# KiCad board Mainboard.kicad_pcb (continued)
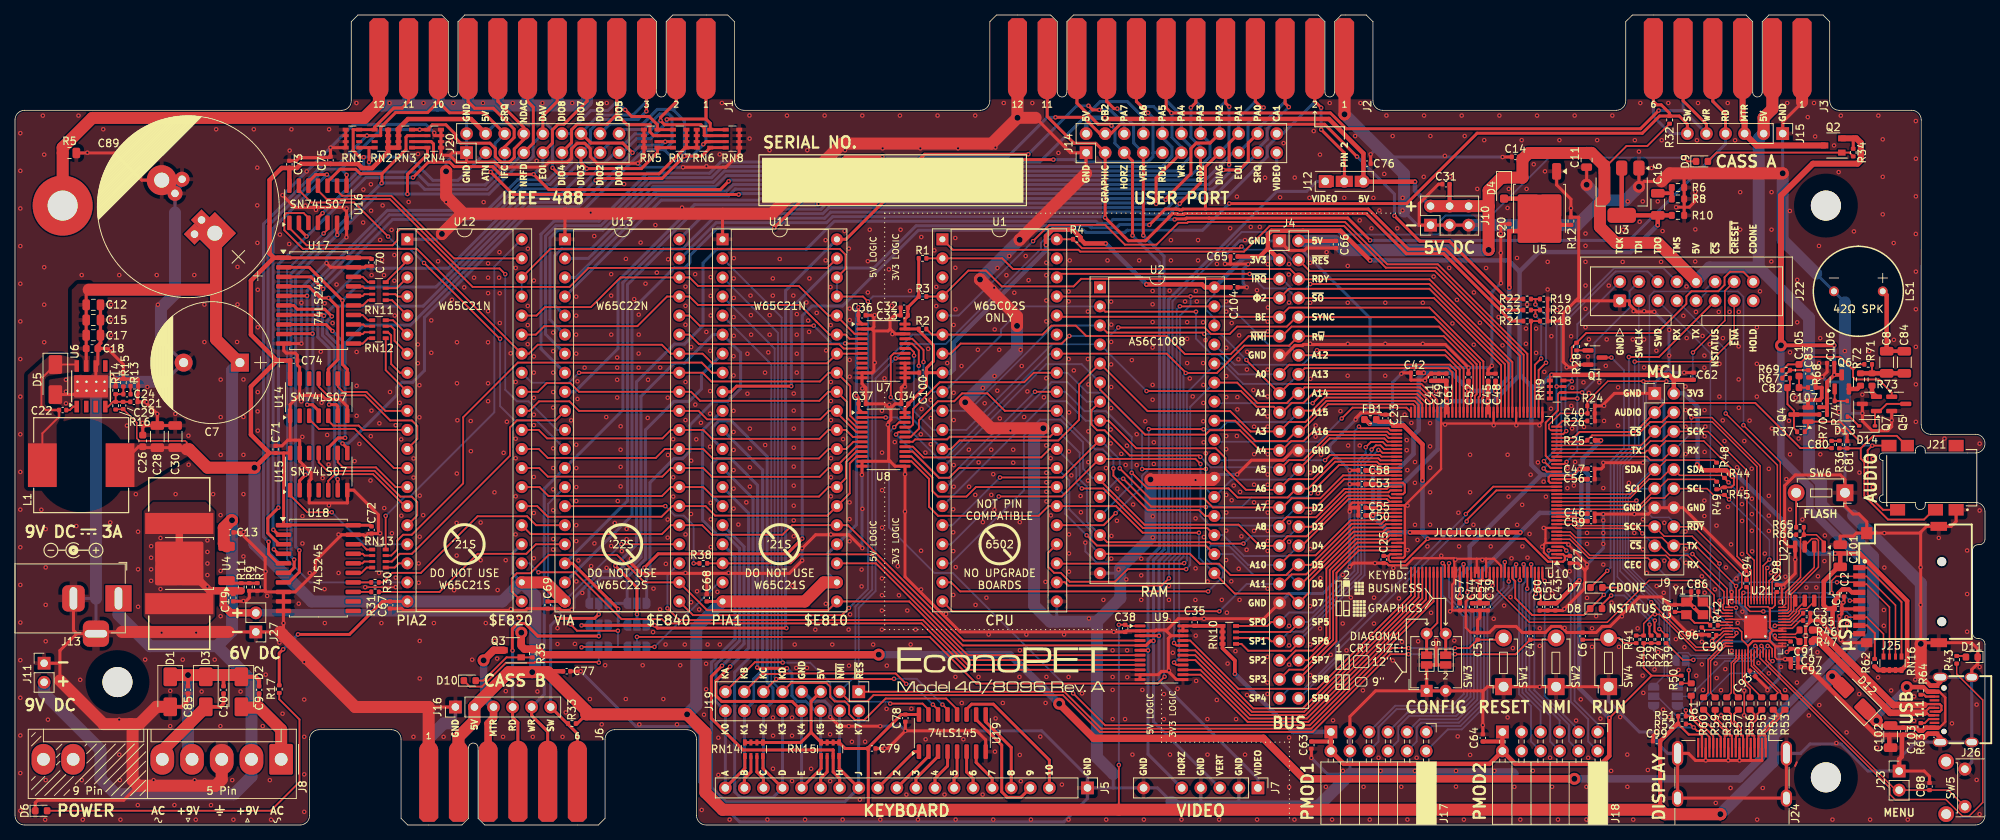
[diagram p0: board, top side]
## Routing (per net, layer and track width the routed paths; a pad name or vN(x,y) marks a point on that pad's centre or on a via; arc(x,y) is an arc through that point) (continued)
  Top w0.4: 56.76,91.87 55.93,91.87 55.87,91.94 v1(55.87,92.25) ; 56.76,91.87 RN4.2 RN4.1 56.76,89.47 56.99,89.24 57.94,89.24 ; 56.76,91.87 56.76,92.67 ; 60.18,88.35 60.17,88.35 J20.1 58.3,89.6 57.94,89.24 ; 60.18,88.35 63.89,88.35 64.56,87.68 70.46,87.68 71.12,88.34 73.62,88.34 74.17,88.88 74.17,90.12 74.9,90.85 75.93,90.85 76.67,90.12 76.67,89.08 77.56,88.19 82.98,88.19 v1(82.99,88.18) 83.81,89 RN5.4 RN5.3 83.81,92.67 ; 60.18,88.35 58.83,88.35 57.94,89.24 ; 195.59,17.82 196.19,18.42 198.34,18.42 SW1.1 SW2.1 SW4.1 ; 195.59,17.82 C64.2 ; 195.59,17.82 195.52,17.88 SW3.2 SW3.1 ; 232.79,8.6 v1(229.79,8.6) v1(228.29,8.6) v1(225.29,8.6) 223.93,8.6 222.98,9.54 J24.SH J24.SH J24.SH J24.SH ; C71.2 35.58,50.54 36.34,51.29 36.64,51.29 ; Y1.2 222.35,29.35 C87.1 221.17,29.33 220.46,29.33 ; Y1.2 223.02,29.72 ; Y1.2 222.97,29.72 223.34,30.09 C86.1 ; 35.65,25.41 35.77,25.53 U18.10 U18.9 U18.8 ; v1(75.39,20.49) C77.2 ; v1(74.19,28.69) 74.09,28.59 72.78,28.59 72.54,28.83 70.98,28.83 C69.2 68.25,28.83 68.01,28.59 51.79,28.59 51.54,28.83 C67.2 ; C88.2 255.11,6.48 254.39,7.19 J23.1 ; v1(38.16,64.16) U17.10 35.82,63.21 36.14,62.89 37.34,62.89 37.62,62.61 C74.2 37.62,61.31 37.93,61 U14.13 37.93,57.24 ; 219.4,85.77 217.11,85.77 v2(216.4,85.06) 216.39,85.07 U3.1 ; C14.1 198.23,89.03 v1(198.22,89.02) ; 153.68,20.47 153.68,24.87 154.04,25.23 ; 153.68,20.47 152.77,20.47 152.33,20.03 U9.11 U9.12 ; 153.68,20.47 154.77,19.38 U9.13 ; 37.93,57.24 37.86,57.24 36.66,56.04 36.66,54.54 U14.1 36.66,51.31 36.64,51.29 ; 37.93,57.24 40.92,57.24 41.42,56.74 43.31,56.74 44.28,55.77 U14.7 ; 92.19,33.53 92.19,30.76 C68.2 ; 92.19,33.53 83.43,33.53 82.08,34.88 v1(82.08,35.49) ; 92.19,33.53 103.17,33.53 v1(104.89,35.25) ; C36.2 114.16,67.93 114.45,67.64 114.45,66.36 114.19,66.1 ; v1(118.64,12.55) 128.14,12.55 129.34,11.35 U19.8 ; v1(118.64,12.55) 118.64,12.55 C78.2 ; v1(118.64,12.55) 116.28,10.2 C79.2 ; C95.2 239.22,27.25 239.22,27.09 238.59,26.46 238.59,24.65 238.59,24.64 238.59,23.92 238.16,23.49 237.57,23.49 ; C95.2 240.42,27.25 242.46,25.21 242.96,25.21 ; C95.2 C3.2 ; v1(228.74,29.75) 228.74,29.75 v1(228.74,31.04) ; 231.12,26.87 231.12,27.5 ; 231.12,26.87 231.57,26.41 U21.57 233.21,26.41 ; 231.12,26.87 230.66,26.41 ; R19.2 R20.2 R18.2 206.3,67.16 206.31,67.17 ; C101.2 243.21,38.5 244.95,38.5 245.36,38.9 J25.10 ; 116.61,66.11 116.61,67.35 117.18,67.93 C33.2 118.01,68.94 C32.2 ; 116.61,66.11 116.34,65.84 114.45,65.84 ; 116.61,66.11 117.27,65.45 U7.22 ; C52.2 193.67,60.93 v1(193.69,60.95) 190.59,64.04 171.7,64.04 171.56,63.9 170.53,63.9 169.24,62.61 168.5,62.61 ; U18.8 37.35,31.06 40.02,33.73 40.02,35.18 43.52,38.68 U18.19 46.42,38.68 46.65,38.45 47.03,38.84 C72.2 48.34,38.84 48.43,38.92 48.43,41.34 45.14,44.63 U15.7 44.3,44.61 44.3,42.92 39.2,42.92 39.2,44.62 U15.3 39.2,44.63 39.2,45.84 39.45,46.09 39.45,46.97 37.93,48.5 U15.13 37.93,51.25 37.89,51.29 36.64,51.29 ; U18.8 33.41,31.06 33.26,31.21 ; 253.93,38.9 253.93,24.16 v2(253.95,24.14) 254.11,24.3 J25.10 260.71,24.3 261.53,23.47 D11.1 261.53,21.51 260.73,20.71 J26.S1 ; 253.93,38.9 249.11,38.9 J25.10 ; 253.93,38.9 253.93,39.02 254.71,39.8 J25.10 258,39.8 258.65,40.46 258.65,42.11 ; 114.45,65.84 114.45,60.51 114.19,60.25 U7.11 U7.12 112.87,58.8 113.37,58.3 C37.2 115.88,56.13 116.58,55.43 ; 114.45,65.84 114.19,66.1 ; 207.95,69.86 208.37,70.28 208.37,81 R12.2 207.33,83.4 205.42,85.31 205.42,86.28 ; 207.95,69.86 206.31,68.22 206.31,67.17 ; 207.95,69.86 J22.1 215.13,69.86 215.13,69.34 216.08,68.39 v1(218.43,68.39) ; v1(178.63,54.03) 178.63,54.22 179.33,54.92 181.89,54.92 182.11,54.69 C23.2 183.54,54.69 v1(183.56,54.67) ; 94.29,81.46 94.28,81.45 U11.1 ; v1(162.86,46.72) 164.75,48.62 169.01,48.62 170.3,49.91 J4.24 ; 33.26,31.21 33.34,31.29 33.34,35.64 29.98,39 C13.2 ; 33.26,31.21 R7.2 R9.2 31.22,30.29 30.75,29.81 C19.2 ; J15.1 235.54,93.69 238.12,96.27 238.12,96.35 ; C25.2 178.34,34.9 v1(177.85,34.41) ; 206.31,67.17 206.31,61.71 207.01,61.01 207.78,61.01 208.12,61.35 Q1.2 ; J25.6 243.43,28.8 C1.2 ; C90.2 225.65,25.37 C96.2 223.11,25.37 220.48,28 220.48,29.31 220.46,29.33 ; C73.2 37.47,88.52 37.9,88.95 41.92,88.95 C75.2 v1(42.04,90.27) RN1.4 RN1.3 44.06,92.67 ; 8.24,25.5 7.79,25.95 J13.2 ; 8.24,25.5 5.99,23.25 5.99,21.57 ; 8.24,25.5 J13.3 11.02,25.73 14.22,25.73 ; 114.19,66.1 U7.2 ; C70.2 46.75,74.48 46.59,74.32 U17.19 42.07,74.32 v1(41.51,74.88) ; SW3.1 181.3,17.88 177.88,14.46 J17.5 ; SW3.1 SW3.1 189.37,21.33 ; R15.2 13.41,59.46 R14.2 ; R15.2 16.36,59.46 16.42,59.4 R13.2 16.42,57.46 16.33,57.37 16.33,56.4 C21.1 17.36,56.39 v1(18.96,54.79) 18.97,54.78 C28.1 ; R15.2 14.44,61.38 12.32,63.5 C18.2 11.04,61.44 U6.6 10.76,59.13 U6.9 ; C28.1 18.97,53.24 C30.1 ; C28.1 17.28,53.24 17.02,52.97 C26.1 ; J4.1 169.77,76.58 171.81,76.58 172.12,76.89 C66.2 ; v1(209.47,34.71) 209.47,34.22 209.2,33.95 ; C94.2 230.72,33.46 v1(230.73,33.46) 230.73,33.84 230.68,33.89 230.66,33.89 222.27,42.29 J9.14 J9.13 217.65,41.44 210.54,41.44 C46.2 C59.2 ; C48.2 197.28,60.15 C45.2 196.3,60.7 v1(196.79,61.19) ; C11.2 209.42,87.67 v2(209.42,85.33) ; v1(112.86,46.66) 112.87,46.67 U8.12 U8.11 116.55,48.47 116.58,48.5 ; U21.57 231.94,27.69 231.75,27.5 231.12,27.5 ; J9.1 213.12,57.53 211.46,55.86 R24.2 210.5,55.83 C40.2 210.5,53.88 R26.1 ; J25.10 243.64,24.3 v1(243.27,24.67) 243.1,24.84 v1(243.1,27.82) 243.43,28.15 C1.2 ; 204.49,26.23 203.91,25.65 C4.2 200.84,25.65 200.02,26.47 197.27,26.47 196.45,25.64 194.9,25.64 C5.2 194.89,27.31 195.19,27.62 C54.2 ; C2.2 243.72,29.68 243.43,29.39 C1.2 ; U7.16 U7.15 118.62,60.88 118.62,60.28 ; U21.57 230.93,27.69 231.12,27.5 ; 96.5,92.67 RN8.2 RN8.1 96.5,89.44 94.72,87.66 v1(89.02,87.66) ; C55.2 C50.2 ; 118.62,60.28 118.64,60.25 120.46,60.25 C100.2 ; 118.62,60.28 U7.14 U7.13 118.59,58.78 118.09,58.28 C34.2 117.27,56.13 116.58,55.43 ; C99.2 218.26,11.9 v1(218.75,12.39) ; 153.39,25.88 155,27.49 C35.2 166.4,27.49 168.5,29.59 ; 153.39,25.88 154.04,25.23 ; 153.39,25.88 153.29,25.98 152.06,25.98 151.95,25.88 U9.2 148.08,25.88 C38.2 125.95,25.73 118.59,33.09 U8.13 117.26,47.82 116.58,48.5 ; C27.2 208.26,34.89 209.2,33.95 ; R10.2 222.42,82.34 ; 222.42,82.34 R8.1 R6.1 222.42,86.82 222.39,86.85 ; 222.42,82.34 v1(221.34,82.34) ; 222.42,82.34 223.1,82.34 223.9,83.14 v1(223.9,84.38) ; J25.10 246.74,40.41 245.7,41.45 244.92,41.45 243.84,42.53 SW6.1 243.84,46.05 243.23,46.66 237.24,46.66 235.81,45.23 235.81,37.65 236.36,37.1 U22.4 237.21,33.51 235.7,32 C98.2 ; 142.72,86.84 J14.1 140.64,89.6 135.99,94.25 ; C56.2 C47.2 211.37,47.46 211.64,47.73 v1(211.64,48.28) v1(216.92,48.28) ; 189.37,21.33 SW3.2 ; 189.37,21.33 189.37,21.33 v1(189.37,24.68) ; Y1.4 224.72,28.02 ; C31.2 189.68,85.4 187.11,82.83 187.11,79.94 J10.1 J10.3 J10.5 ; v1(164.13,71.66) C104.2 ; 154.04,25.23 U9.22 ; 161.96,74.77 164.29,74.77 v1(164.32,74.74) ; 161.96,74.77 161.23,74.77 v1(161.23,74.77) ; 161.96,74.77 161.96,75.77 ; v1(233.52,17.97) 233.52,18.18 C93.2 ; 35.33,25.73 J27.1 28.46,25.73 ; v1(222.41,60.29) 223.66,60.29 C62.2 ; C20.2 197.98,80.1 197.98,72.24 v1(198,72.22) ; v1(242.86,52.62) 243.52,52.62 244.14,52 C81.2 ; v1(104.89,36.88) 106.69,38.68 111.12,38.68 v1(112.9,36.9) ; C53.2 177.85,45.43 v1(177.85,45.43) ; J11.1 5.98,21.56 5.99,21.57 ; v1(184.73,60.14) 184.85,60.26 C42.2 186,59.33 186.03,59.3 187.75,59.3 188.6,60.15 C41.2 C49.2 C61.2 ; Q5.2 250.07,53.07 249.56,52.56 247.44,52.56 246.17,53.83 v1(246.17,54.87) 246.16,54.88 Q7.3 ; U6.9 7.83,57.37 D5.2 ; v1(240.81,59.73) 241.46,60.38 C106.2 ; 220.46,29.33 219.39,30.4 216.48,30.4 212.54,26.47 211.5,26.47 210.69,25.65 206.78,25.65 206.2,26.23 ; U21.57 U21.57 ; 237.57,23.49 C91.2 236.16,23.05 v1(236.09,23.05) ; 237.57,23.49 C97.2 C92.2 ; 5.99,21.57 5.99,19.26 ; v1(115.29,13.17) 109.86,13.17 v1(108.64,14.39) ; C76.2 v1(180.64,89.38) ; J16.1 55.13,15.72 ; 206.19,26.22 205.94,26.47 204.74,26.47 204.5,26.22 ; C12.2 C15.2 C17.2 ; D6.1 2.7,2.97 3.03,3.3 14.48,3.3 16.41,5.23 ; C58.2 v1(177.85,47.27) ; 209.2,33.95 209.2,32.26 209.1,32.16 209.1,31.46 206.24,28.59 C43.2 C51.2 C60.2 ; 116.58,48.5 116.41,48.67 116.41,53.71 116.72,54.02 116.72,55.29 116.58,55.43 ; v1(35.64,83.94) 37.29,82.29 43.66,82.29 44.18,81.77 U16.7 44.18,78.69 44.18,78.34 v1(44.17,78.33) ; C54.2 C44.2 ; C54.2 C39.2 ; C89.2 16.89,85.94 13.27,89.56 R5.2 ; C63.2 v1(172.74,8.94) ; U13.1 73.28,81.46
  Top w0.5: C85.1 23.05,16.56 22.25,15.75 D1.2 ; 239.94,59.65 240.73,59.65 v1(240.81,59.73) ; 239.94,59.65 C83.2 ; 239.94,59.65 R68.1 240.74,58.29 240.75,58.28 240.75,56.94 C107.2 238.91,56.64 Q4.2 ; v1(177.85,41.77) 177.85,42.06 178.08,42.29 C55.2 ; 224.72,28.02 224.68,28.02 223.02,29.68 223.02,29.72 ; 11.04,63.29 11.04,63.87 11.4,64.23 11.4,65.06 11.39,65.07
  Top w0.6: 249.93,10.31 249.75,10.49 249.75,12 ; J26.S1 256.53,19.06 256.04,18.56 J26.A12_B1 255.22,18.56 253.94,19.85 253.94,20.19 ; C92.2 238.92,21.05 247.96,12 249.75,12 ; C103.2 251.42,11.84 251.42,9.12 251.06,8.76 J23.1 ; C103.2 253.14,12.01 253.45,11.7 254.43,11.7 254.89,12.16 J26.A1_B12 256.04,12.16 256.53,11.67 J26.S1 ; C103.2 251.58,12 249.75,12
  Top w1.6: 15.39,13.44 15.67,13.16 15.67,5.97 16.41,5.23 26.72,5.23 27.55,6.06 J8.3 ; 15.39,13.44 11.81,13.44 5.99,19.26 ; 15.39,13.44 16.55,13.44 18.86,15.75 D1.2 ; 135.99,94.25 v2(133.58,94.25) ; v2(133.58,94.25) 133.58,94.25 J2.12 ; v2(133.58,94.25) 130.14,90.81 110.21,90.81 100.85,81.46 59.79,81.46 ; v2(151.3,46.05) 151.37,45.99 159.55,45.99 U2.22 ; 14.22,25.73 28.46,25.73 ; v2(137.02,52.87) 130.07,52.87 v2(126.6,56.33) ; 35.33,25.73 45.33,15.72 55.13,15.72 J6.1,A ; v2(128.59,72.7) 133.52,67.77 v2(133.52,66.52) ; v2(177.16,94.71) 177.16,94.72 J2.1 ; 59.79,81.46 57.45,83.8 57.45,87.11 v2(57.44,87.12) ; 59.79,81.46 59.57,81.46 56.89,78.78 v2(56.89,78.77) ; 253.94,20.19 253.94,24.13 v2(253.95,24.14) ; 219.4,85.77 220.48,86.85 v2(235.54,86.85) ; 142.72,86.84 v2(133.87,77.99) ; 238.12,96.35 J3.1,A
  Bottom w0.25: v1(146.08,35.5) 145.55,34.97 144.11,34.97 142.62,36.47 v1(142.62,37.64)
  Bottom w0.4: 219.75,48.64 219.73,48.62 217.25,48.62 v1(216.92,48.28) ; 219.75,48.64 219.75,42.29 J9.14 ; 219.75,48.64 219.75,56.27 J9.1 218.5,58.93 220.25,60.68 220.4,60.68 ; 185.09,81.75 186.9,79.94 J10.1 ; 240.01,73.49 LS1.2 243.84,69.66 ; v1(180.64,89.38) 181.56,90.3 ; J17.5 J17.11 177.88,6.79 177.9,6.77 174.91,6.77 v1(172.74,8.94) ; 168.5,29.59 169.77,30.86 174.29,30.86 v1(177.85,34.41) v1(177.85,41.77) v1(177.85,45.43) v1(177.85,47.27) 175.21,49.91 ; J26.S1 260.73,8.36 SW5.1 ; J26.S1 J26.S1 253.25,11.04 251.06,8.85 J23.1 246.91,7.19 243.3,10.8 239.18,10.8 237.92,9.54 237.91,9.54 J24.SH ; J26.S1 J26.S1 J26.S1 ; v1(162.86,46.72) 160.28,46.72 U2.22 ; 146.36,4.94 146.34,4.96 146.34,6.81 ; 146.36,4.94 J7.7 152.23,4.94 154.09,3.09 ; 146.36,4.94 J5.1 ; 182.85,89.01 182.86,89.02 v1(198.22,89.02) ; 243.84,59.04 241.5,59.04 v1(240.81,59.73) ; U21.57 230.66,28.61 229.53,29.75 v1(228.74,29.75) ; J5.1 142.91,6.45 136.81,12.55 v1(118.64,12.55) 118.02,13.17 v1(115.29,13.17) ; J5.1 142.91,3.54 139.78,0.41 96.55,0.41 91.23,5.73 91.23,12.12 90.24,13.11 82.77,13.11 v1(75.39,20.49) ; 220.4,60.68 220.79,60.29 v1(222.41,60.29) ; 220.4,60.68 220.4,66.42 v1(218.43,68.39) ; v1(246.17,54.87) 243.84,54.87 ; v2(57.44,87.12) 57.44,88.28 58.76,89.6 J20.1 J20.2 60.17,95.45 ; v1(112.9,36.9) 112.86,36.94 v1(112.86,46.66) ; 19.91,59.07 C7.2 19.45,64.64 ; J7.2 163.08,2.62 162.95,2.48 ; v1(233.52,17.97) 235.07,19.53 235.07,23.05 ; 21.32,81.62 C89.2 ; v1(82.08,35.49) 80.39,33.81 78.03,33.81 74.48,30.25 74.48,28.98 v1(74.19,28.69) ; v1(211.64,41.44) 211.64,36.88 v1(209.47,34.71) ; 175.21,49.91 J4.24 ; 175.21,49.91 175.21,50.61 180.57,55.96 ; J13.2 10.76,30.2 10.79,30.17 J13.3 ; v1(164.32,74.74) 163.65,74.08 163.65,72.13 v1(164.13,71.66) ; v1(38.16,64.16) 38.16,71.6 41.44,74.88 v1(41.51,74.88) 41.51,75.68 v1(44.17,78.33) ; U2.16 146.62,33.56 147.28,34.22 ; v1(55.87,92.25) 54.75,93.37 45.13,93.37 v1(42.04,90.27) 35.7,83.94 v1(35.64,83.94) ; 58.2,13.54 58.68,14.02 J16.1 ; J24.SH 220.21,9.54 218.75,11 v1(218.75,12.39) 216.44,12.39 212.35,16.49 SW4.1 ; v1(198,72.22) 196.79,71.01 v1(196.79,61.19) 196.54,60.95 v1(193.69,60.95) 193.66,60.97 185.56,60.97 v1(184.73,60.14) 183.56,58.98 v1(183.56,54.67) 181.85,54.67 180.57,55.96 ; 106.49,16.5 107.9,16.5 108.64,15.76 v1(108.64,14.39) ; 138.83,27.1 138.82,27.11 U1.21 ; v1(242.86,52.62) 243.84,52.62 SW6.1 243.84,42.33 244.93,41.24 ; v1(228.74,31.04) 228.63,31.15 228.63,32.23 229.86,33.46 v1(230.73,33.46) ; 180.57,55.96 180.57,67.54 171.56,76.56 169.79,76.56 J4.1 163.18,77.85 161.23,75.89 v1(161.23,74.77) ; 235.07,23.05 235.07,23.37 233.31,25.14 U21.57 ; 235.07,23.05 236.08,23.05 v1(236.09,23.05) ; v1(82.99,88.18) 83.51,87.66 v1(89.02,87.66) ; U12.1 56.17,78.05 v2(56.89,78.77) ; 158.03,2.48 158,2.51 J7.4 ; v2(235.54,86.85) J15.1 235.54,93.74 238.12,96.32 238.12,96.35 ; v1(104.89,36.88) v1(104.89,35.25)
  Bottom w0.5: J19.7 105.02,17.76 106.27,16.5 106.49,16.5
  Bottom w1.6: 52.29,95.88 52.45,96.04 J1.M ; 52.29,95.88 48.81,95.88 48.49,96.2 J1.N ; 52.29,95.88 56.29,95.88 ; C89.2 21.32,85.12 C89.2 C89.2 ; 211.46,83.26 208.14,79.94 J10.5 ; 211.46,83.26 209.42,85.3 v2(209.42,85.33) ; 211.46,83.26 214.59,83.26 v2(216.4,85.06) ; J2.1 177.16,94.72 v2(177.16,94.71) 185.09,86.78 185.09,81.75 ; 146.34,6.81 146.34,6.82 144.16,9.01 144.16,27.1 ; 19.91,59.07 U6.9 ; J6.1,A 55.13,11.55 57.12,13.54 58.2,13.54 ; 72.52,95.88 72.26,96.13 J1.F ; 72.52,95.88 68.02,95.88 ; 72.52,95.88 75.68,95.88 76.23,96.42 J1.E ; 68.02,95.88 68.3,96.16 J1.H ; 68.02,95.88 64.59,95.88 ; 56.29,95.88 56.41,96.01 J1.L ; 56.29,95.88 60.61,95.88 ; 244.93,41.24 253.95,32.22 v2(253.95,24.14) 253.94,24.13 ; 144.16,27.1 137.94,27.1 135.79,29.25 135.79,51.64 v2(137.02,52.87) ; 144.16,27.1 147.28,30.22 147.28,34.22 151.3,38.24 v2(151.3,46.05) ; 60.61,95.88 60.38,96.11 J1.K ; 60.61,95.88 60.17,95.45 ; 60.61,95.88 64.59,95.88 ; J1.J 64.34,96.13 64.59,95.88 ; 199.57,6.77 177.9,6.77 173.61,2.48 154.7,2.48 154.09,3.09 ; v2(133.52,66.52) 133.52,63.25 v2(126.6,56.33) ; v2(235.54,86.85) 235.54,77.95 240.01,73.49 ; 243.84,52.62 243.84,69.66 ; 19.45,64.64 19.45,68.92 21.32,70.79 21.32,81.62 ; 238.12,96.35 J3.1,A ; v2(133.87,77.99) 128.59,72.71 v2(128.59,72.7) ; 212.36,18.57 212.36,18.57 ; v2(133.58,94.25) 133.58,94.25 J2.12 ; 10.79,30.17 10.79,58.72
  vias: v1(0.71,92.2) v1(0.71,87.18) v1(0.71,82.17) v1(0.71,77.15) v1(0.71,72.13) v1(0.71,67.12) v1(0.71,62.1) v1(0.71,57.08) v1(0.71,52.07) v1(0.71,47.05) v1(0.71,42.03) v1(0.71,37.02) v1(0.71,32) v1(0.71,26.98) v1(0.71,21.97) v1(0.71,16.95) v1(0.71,11.93) v1(0.71,6.92) v1(0.71,1.9) v1(3.51,42.01) v1(3.71,94.54) v1(3.89,89.34) v1(3.89,74.34) v1(3.89,69.34) v1(3.89,64.34) v1(4.02,0.71) v1(4.09,39.43) v1(4.09,34.34) v1(4.09,29.34) v1(4.09,24.48) v1(4.09,5.98) v1(4.39,14.04) v1(6.79,59.34) v1(6.79,57.77) v1(6.79,56.19) v1(8.18,39.84) v1(8.46,94.54) v1(8.69,19.35) v1(8.89,73.29) v1(8.9,5.98) v1(9.04,0.71) v1(9.64,89.6) v1(11.75,92.72) v1(12.69,40.32) v1(12.81,69.34) v1(12.81,67.35) v1(12.81,65.27) v1(12.81,63.5) v1(12.94,59.78) v1(13.89,73.29) v1(13.89,14.04) v1(13.9,9.38) v1(13.97,5.98) v1(14.05,0.71) v1(14.91,53.23) v1(16.1,44.09) v1(16.4,39.08) v1(16.4,34.08) v1(16.4,29.08) v1(16.36,2.65) v1(16.99,53.59) v1(17.35,22.05) v1(17.54,56.38) v1(17.64,58.38) v1(18.47,5.98) v1(18.89,73.29) v1(19.04,69.34) v1(19.54,25.63) v1(20.69,17.88) v1(20.68,13.18) v1(21.24,2.65) v1(21.36,54.79) v1(21.4,44.09) v1(22.35,22.04) v1(23.11,51.88) v1(23.13,48.01) v1(23.89,73.29) v1(23.93,5.98) v1(24.14,25.63) v1(24.09,0.71) v1(24.87,17.79) v1(25.24,69.36) v1(25.24,64.36) v1(26.11,2.65) v1(26.4,44.09) v1(26.61,22.04) v1(26.8,92.72) v1(27.41,59.36) v1(27.41,54.36) v1(27.41,49.33) v1(27.39,41.3) v1(27.4,33.87) v1(27.4,27.83) v1(27.37,13.18) v1(28.95,5.98) v1(29.1,0.71) v1(29.59,64.37) v1(29.65,74.38) v1(29.65,69.38) v1(30.06,17.79) v1(30.44,59.38) v1(30.44,54.38) v1(30.44,49.33) v1(30.44,44.09) v1(30.44,39.03) v1(30.44,35.79) v1(30.44,29.85) v1(31.82,92.72) v1(32.28,87.6) v1(32.28,82.58) v1(32.3,77.58) v1(32.33,55.12) v1(32.35,71.33) v1(32.35,66.33) v1(32.35,57.69) v1(32.35,52.55) v1(33.01,13.18) v1(33.39,33.79) v1(33.4,20.04) v1(33.6,30.53) v1(33.96,5.98) v1(34.12,0.71) v1(35.24,24.31) v1(35.3,78.68) v1(35.65,14.83) v1(35.78,26.91) v1(36.6,89.88) v1(36.54,77.43) v1(36.84,92.72) v1(37.8,29.5) v1(38.16,69.6) v1(38.15,56.45) v1(38.21,47.63) v1(38.29,51.73) v1(38.31,41.15) v1(38.3,37.52) v1(38.54,21.72) v1(38.54,16.72) v1(38.54,11.75) v1(38.54,6.75) v1(38.54,1.75) v1(38.7,82.55) v1(38.87,87.11) v1(39.27,33.58) v1(40.1,81.98) v1(40.75,63.08) v1(40.85,56.28) v1(40.99,46.23) v1(41.26,69.53) v1(41.25,31.43) v1(41.28,26.91) v1(41.6,51.98) v1(41.78,48.05) v1(41.84,42.6) v1(41.85,92.72) v1(42.32,66.89) v1(42.85,72.03) v1(43.11,38.71) v1(43.11,33.59) v1(44.18,82.17) v1(45.25,48.49) v1(45.5,96.22) v1(45.52,63.04) v1(45.52,58.53) v1(45.52,54.53) v1(45.89,50.79) v1(46.42,84.69) v1(46.39,80.29) v1(47.42,85.39) v1(47.41,51.82) v1(47.37,45.91) v1(47.45,81.87) v1(47.51,73.28) v1(47.5,55.22) v1(48.51,33.59) v1(48.55,53.53) v1(48.65,77.97) v1(48.65,38.88) v1(48.82,26.91) v1(48.91,75.33) v1(48.99,82.57) v1(49.17,73.28) v1(49.2,42.23) v1(49.91,96.22) v1(49.97,57.7) v1(50.18,79.31) v1(50.23,38.88) v1(50.55,75.96) v1(50.55,72.54) v1(50.6,67.9) v1(50.73,53.28) v1(50.73,32.97) v1(51.26,56.26) v1(51.46,51.39) v1(51.48,41.22) v1(52.45,83.03) v1(53.11,48.85) v1(53.1,46.3) v1(53.09,11.75) v1(53.7,89.43) v1(53.68,64.04) v1(53.68,61.54) v1(53.79,34.86) v1(53.79,32.29) v1(53.89,58.61) v1(53.89,54.34) v1(53.93,43.89) v1(53.92,38.42) v1(53.93,24.53) v1(53.93,19.53) v1(54.43,96.22) v1(54.39,41.29) v1(55.47,67.25) v1(55.47,62.93) v1(55.82,26.91) v1(56.37,75.13) v1(57.11,11.75) v1(57.45,83.02) v1(58.04,91.19) v1(58.22,70) v1(58.39,96.22) v1(58.51,31.29) v1(58.89,64.34) v1(58.89,58.87) v1(58.87,46.84) v1(58.85,40.26) v1(58.85,35.91) v1(58.95,53.94) v1(59.86,71.65) v1(60.73,53.84) v1(60.75,49.82) v1(60.92,22.03) v1(61.17,72.94) v1(62.05,40.31) v1(62.05,35.29) v1(62.36,96.22) v1(62.45,83.01) v1(62.73,26.91) v1(63.03,64.34) v1(63.03,58.87) v1(63.04,74.85) v1(63.04,72.94) v1(63.04,70.88) v1(63.04,68.48) v1(63.04,56.48) v1(63.89,44.34) v1(63.93,24.53) v1(64.31,31.31) v1(64.25,22.18) v1(64.51,72.94) v1(64.56,76.34) v1(64.59,70.87) v1(64.6,66.9) v1(65.03,11.75) v1(65.11,49.6) v1(65.39,35.29) v1(65.4,17.84) v1(65.54,53.74) v1(66.05,62.86) v1(66.08,28.77) v1(66.32,96.22) v1(66.72,74.24) v1(66.72,59.04) v1(66.71,51.48) v1(66.71,48.88) v1(66.71,43.8) v1(66.71,38.72) v1(67.18,27.59) v1(67.2,18.96) v1(68.34,76.8) v1(68.33,69.18) v1(68.33,66.62) v1(68.32,64.08) v1(68.99,11.75) v1(69.14,72.56) v1(69.14,62.44) v1(69.13,60.29) v1(69.14,56.93) v1(69.14,54.68) v1(69.14,53.29) v1(69.14,46.38) v1(69.14,41.58) v1(69.13,35.55) v1(69.51,88.51) v1(69.61,17.79) v1(70.28,96.22) v1(71.71,65.63) v1(71.71,63.15) v1(71.71,60.29) v1(71.71,57.7) v1(71.71,55.63) v1(71.71,50.2) v1(71.71,47.57) v1(71.71,44.74) v1(71.71,41.95) v1(71.71,38.1) v1(71.71,36.71) v1(72.29,26.23) v1(72.29,24.12) v1(72.96,11.75) v1(73.39,15) v1(74.11,53.93) v1(74.25,96.22) v1(74.61,24.13) v1(74.78,70.41) v1(74.78,67.88) v1(74.77,65.35) v1(74.78,62.81) v1(74.79,50.68) v1(74.79,47.57) v1(74.79,45.03) v1(74.79,43.18) v1(74.79,39.96) v1(74.79,37.83) v1(74.8,32.47) v1(74.95,59.13) v1(74.95,56.78) v1(75.07,35.25) v1(75.59,30.93) v1(75.9,60.95) v1(76.61,16.79) v1(76.71,81.61) v1(76.77,34.5) v1(77.18,78.49) v1(77.21,37.53) v1(78.18,13.41) v1(78.64,21.29) v1(78.78,54.36) v1(78.83,34.27) v1(78.85,96.22) v1(79.44,73.41) v1(79.44,70.55) v1(79.45,65.35) v1(79.44,37.18) v1(79.92,40.25) v1(80.24,62.3) v1(80.24,60.95) v1(80.24,59.34) v1(80.24,56.97) v1(80.32,43.17) v1(80.7,53.14) v1(80.7,50.02) v1(80.7,47.73) v1(80.7,45.13) v1(80.86,36.5) v1(81.16,85.42) v1(81.4,75.45) v1(81.39,16.79) v1(81.5,39.46) v1(81.5,38.09) v1(82.51,70.08) v1(83.11,68.01) v1(83.11,65.35) v1(83.1,62.83) v1(83.1,60.95) v1(83.19,13.41) v1(83.36,77.62) v1(83.64,21.29) v1(84.01,72.14) v1(84.31,54.25) v1(84.35,59.34) v1(85.02,25.71) v1(85.08,31.5) v1(85.33,79.96) v1(85.52,73.61) v1(85.97,60.96) v1(85.95,28.74) v1(86.39,16.79) v1(86.73,34.8) v1(86.69,24.05) v1(87.03,75.4) v1(86.97,56.94) v1(87.01,49.31) v1(86.97,40.71) v1(86.97,38.3) v1(87.7,51.42) v1(87.71,46.34) v1(87.71,43.77) v1(88.21,13.41) v1(88.64,21.29) v1(88.89,82.29) v1(89.34,66.67) v1(89.34,33.6) v1(89.25,24.05) v1(89.34,71.74) v1(89.34,69.19) v1(89.34,59.04) v1(89.34,53.96) v1(89.35,38.72) v1(90.1,63.7) v1(90.1,48.55) v1(90.08,41.45) v1(90.09,29.69) v1(90.63,73.41) v1(90.65,56.02) v1(90.78,51.4) v1(90.88,31.15) v1(91.17,28.72) v1(91.4,53.6) v1(91.51,2) v1(91.81,14.7) v1(92.14,87.79) v1(92.12,65.71) v1(92.09,21.49) v1(92.09,18.1) v1(92.29,24.05) v1(92.63,63.19) v1(92.63,57.83) v1(92.63,54.82) v1(92.63,50.42) v1(92.7,73.01) v1(92.7,70.52) v1(92.7,67.9) v1(92.68,42.94) v1(92.71,40.73) v1(92.71,37.04) v1(93.6,31.07) v1(93.72,11.63) v1(93.72,6.67) v1(93.9,89.38) v1(93.92,24.05) v1(94.2,96.22) v1(95.08,33.6) v1(95.22,0.72) v1(95.79,75.54) v1(95.77,72.84) v1(95.78,70.24) v1(95.76,67.68) v1(95.78,65.2) v1(95.75,62.48) v1(95.75,59.91) v1(95.75,55.2) v1(95.75,52.38) v1(95.75,49.98) v1(95.75,47.29) v1(95.75,44.83) v1(95.75,42.17) v1(96.39,40.04) v1(97.45,43) v1(97.6,62.8) v1(97.6,57.48) v1(97.86,94.56) v1(97.88,91.48) v1(97.92,52.82) v1(97.92,50.21) v1(97.92,47.66) v1(97.92,45.1) v1(98.01,70.55) v1(98.06,67.95) v1(98.09,65.34) v1(99.94,60.29) v1(99.96,50.64) v1(100.25,0.72) v1(100.38,62.99) v1(100.54,89.93) v1(100.56,67.95) v1(100.56,65.34) v1(100.98,72.84) v1(100.98,70.55) v1(101,14.31) v1(101.01,11.9) v1(101,7.49) v1(101.9,75.43) v1(102.86,94.55) v1(103.59,31.88) v1(103.54,14.31) v1(103.54,11.9) v1(103.54,5.86) v1(103.71,70.55) v1(103.77,57.5) v1(103.77,55.22) v1(103.77,52.82) v1(103.77,50.28) v1(103.77,47.76) v1(103.77,45.22) v1(103.77,42.55) v1(103.77,40.59) v1(103.77,38.48) v1(103.9,24.05) v1(104.1,20.93) v1(104.18,68.08) v1(104.17,65.34) v1(104.17,62.8) v1(104.17,60.29) v1(105.27,0.72) v1(105.46,69.64) v1(105.53,20.93) v1(105.57,89.93) v1(105.69,67.23) v1(105.81,65.72) v1(105.86,72.84) v1(106.08,7.49) v1(106.64,26.04) v1(106.83,68.25) v1(107.88,94.55) v1(108.01,77.94) v1(108.02,75.25) v1(108.09,63.24) v1(108.04,29.48) v1(108.61,12.08) v1(108.62,5.85) v1(108.67,71.69) v1(108.7,66.62) v1(108.72,59.04) v1(108.72,56.5) v1(108.72,53.96) v1(108.72,48.88) v1(108.72,46.34) v1(108.71,43.8) v1(108.71,38.72) v1(108.9,24.05) v1(110.28,0.72) v1(110.34,51.42) v1(110.59,89.93) v1(110.54,79.16) v1(111.11,76.81) v1(111.07,26.04) v1(111.13,21.24) v1(111.11,13.17) v1(111.22,68.82) v1(111.22,67.29) v1(111.22,61.98) v1(111.22,59.74) v1(111.2,43) v1(111.2,40.76) v1(111.2,37.81) v1(111.28,28.07) v1(111.52,11.09) v1(112.58,3.38) v1(112.81,34.04) v1(112.81,31.8) v1(112.9,94.55) v1(112.9,58.17) v1(112.92,42.13) v1(113.28,11.1) v1(113.64,75.14) v1(113.64,70.97) v1(113.89,79.34) v1(114.35,24.05) v1(114.56,67.95) v1(114.56,61.63) v1(115.3,0.72) v1(115.52,55.2) v1(115.53,49.63) v1(115.52,32.86) v1(115.52,30.62) v1(115.51,28.58) v1(115.51,26.04) v1(115.61,90.18) v1(115.54,44.62) v1(115.54,39.64) v1(115.86,59.53) v1(115.88,10.2) v1(116.13,15.48) v1(116.17,21.24) v1(116.31,53.34) v1(116.44,74.05) v1(116.5,56.01) v1(116.83,69.22) v1(116.91,65.43) v1(117.23,51.03) v1(117.63,34.49) v1(117.79,30.62) v1(117.91,94.55) v1(118.01,79.34) v1(118.59,58.43) v1(118.6,46.75) v1(118.59,41.77) v1(118.78,4.05) v1(118.89,28.58) v1(119.25,71.19) v1(119.35,24.05) v1(119.44,15.5) v1(120,26.04) v1(120.32,0.72) v1(120.64,90.18) v1(120.7,52.07) v1(120.73,36.55) v1(120.73,31.39) v1(120.76,78.36) v1(120.8,55.44) v1(121.31,49.63) v1(121.34,11.42) v1(121.68,63.46) v1(122.02,56.65) v1(122.02,54.24) v1(122.02,50.75) v1(122.5,76.58) v1(122.76,71.71) v1(122.76,69.16) v1(122.93,94.55) v1(123.86,4.05) v1(124.06,28.11) v1(124.22,61.56) v1(125.02,42.08) v1(125.02,39.01) v1(125.03,36.5) v1(125.03,30.66) v1(125.08,66.64) v1(125.08,57.6) v1(125.09,53.97) v1(125.09,47.97) v1(125.09,45.08) v1(125.29,78.23) v1(125.3,74.26) v1(125.33,68.73) v1(125.31,19.74) v1(125.33,0.72) v1(125.35,34.36) v1(125.66,90.18) v1(126.12,61.17) v1(126.16,16.26) v1(126.37,11.42) v1(127.1,50.02) v1(127.13,45.08) v1(127.95,94.55) v1(127.96,43.99) v1(127.99,29.33) v1(128.3,63.33) v1(128.4,48.33) v1(128.39,19.73) v1(128.96,58.26) v1(128.97,40.36) v1(128.94,4.05) v1(129.21,56.2) v1(129.44,30.29) v1(129.74,25.39) v1(130.08,50.02) v1(130.09,43.99) v1(130.35,46.75) v1(130.35,0.72) v1(130.48,71.6) v1(130.52,59.84) v1(130.51,42.03) v1(130.55,66.04) v1(130.58,9.77) v1(130.64,90.29) v1(130.67,14.21) v1(130.9,74.23) v1(130.89,57.88) v1(131.15,63.33) v1(131.22,54.18) v1(131.62,16.26) v1(131.75,96.22) v1(132.11,73.27) v1(132.49,75.83) v1(132.64,52.56) v1(133.01,50.02) v1(133.01,48.28) v1(133.16,70.94) v1(133.89,40.36) v1(133.9,23.28) v1(133.85,19.74) v1(133.89,9.34) v1(134,63.33) v1(134.02,5.84) v1(134.15,61.17) v1(134.46,54.37) v1(134.67,75.83) v1(134.77,25.39) v1(134.9,57.78) v1(135.06,72.61) v1(135.37,0.72) v1(135.56,96.22) v1(136.62,11.78) v1(137.1,57) v1(137.31,32.4) v1(137.32,16.26) v1(137.42,74.94) v1(137.42,73.27) v1(137.42,69.9) v1(137.42,67.12) v1(137.42,59.53) v1(137.42,50.59) v1(137.42,46.95) v1(137.42,45.68) v1(137.42,44.41) v1(137.44,43.13) v1(137.44,19.74) v1(138.01,48.88) v1(138.02,41.27) v1(139.04,89.57) v1(139.5,5.39) v1(139.79,25.39) v1(140.4,71.1) v1(140.4,69.78) v1(140.4,62.09) v1(140.43,49.78) v1(140.38,19.73) v1(140.38,0.72) v1(140.45,54.98) v1(140.44,38.73) v1(140.44,36.19) v1(140.44,33.75) v1(140.54,75.24) v1(140.76,46.59) v1(141.09,60.58) v1(141.99,43.85) v1(142.03,41.68) v1(142.18,17.53) v1(142.96,68.43) v1(142.96,62.1) v1(143.03,58.72) v1(143.02,52.46) v1(143.02,48.36) v1(142.97,45.9) v1(143.1,27.52) v1(145.03,30) v1(145.38,47.57) v1(145.4,0.72) v1(145.57,75.24) v1(146,52.71) v1(146,50.86) v1(146.06,69.75) v1(146.08,66.68) v1(146.06,64.38) v1(146.06,61.38) v1(146.06,58.37) v1(146.06,55.56) v1(146.1,38.52) v1(146.26,23.28) v1(146.26,19.73) v1(146.26,18.01) v1(146.26,14.11) v1(146.41,25.73) v1(146.83,40.54) v1(146.88,44.82) v1(147.04,34.04) v1(147.41,49.46) v1(147.92,14.11) v1(147.99,47.98) v1(148.08,32.73) v1(148.16,50.55) v1(148.19,23.28) v1(148.2,19.7) v1(148.82,61.96) v1(148.9,27.52) v1(148.9,9.38) v1(148.99,42.71) v1(149.47,52.08) v1(149.47,47.97) v1(149.8,75.24) v1(150.08,35.49) v1(150.07,33.27) v1(150.07,30) v1(150.22,18.01) v1(150.42,0.72) v1(150.61,53.81) v1(151.59,71.17) v1(151.59,69.39) v1(151.59,67.03) v1(151.59,63.63) v1(151.59,58.65) v1(151.59,56.68) v1(151.61,41.14) v1(151.61,38.32) v1(151.75,51) v1(151.75,48.12) v1(153.1,17.44) v1(153.1,14.11) v1(153.76,31.87) v1(153.76,30) v1(153.76,27.27) v1(153.76,20.6) v1(153.85,71.21) v1(153.9,9.38) v1(154.03,77.95) v1(154.03,75.24) v1(154.28,22.95) v1(154.91,18.16) v1(155.43,0.72) v1(155.91,69.77) v1(156.19,67.01) v1(156.19,64.79) v1(156.19,61.56) v1(156.54,59.51) v1(156.93,57.11) v1(157.31,45.97) v1(157.31,40.86) v1(157.31,34.2) v1(157.28,30) v1(157.33,25.23) v1(157.35,71.17) v1(157.39,19.2) v1(157.48,69.77) v1(157.64,77.95) v1(157.64,75.24) v1(158.32,67) v1(158.32,61.56) v1(158.34,53.81) v1(158.35,58.65) v1(158.35,56.25) v1(158.39,51) v1(158.42,38.37) v1(158.44,27.49) v1(158.64,64.62) v1(158.67,49.53) v1(158.92,32.45) v1(158.89,14.11) v1(158.9,9.38) v1(160.14,16.66) v1(160.16,74.77) v1(160.45,0.72) v1(160.81,30) v1(161.41,69.78) v1(161.41,68.42) v1(161.41,63.6) v1(161.41,59.83) v1(161.41,57.02) v1(161.4,51.84) v1(161.4,50.08) v1(161.41,43.98) v1(161.41,41.64) v1(161.41,39.23) v1(161.39,35.31) v1(161.48,28.29) v1(161.58,21.51) v1(161.92,79.53) v1(162.13,66.9) v1(162.12,43.28) v1(162.07,32.48) v1(162.4,45.24) v1(162.63,23.17) v1(162.71,14.11) v1(162.82,83.74) v1(162.81,51.84) v1(162.88,57.02) v1(162.88,55.39) v1(163.02,62.06) v1(163.12,65.26) v1(163.06,34.14) v1(163.24,44.39) v1(163.17,30) v1(163.42,38.47) v1(163.89,77.95) v1(163.9,9.38) v1(164.11,36.68) v1(164.19,63.06) v1(164.15,60.7) v1(164.17,17.32) v1(164.67,79.7) v1(165.02,57.96) v1(165.11,53.08) v1(165.11,49.42) v1(165.11,45.35) v1(165.11,43) v1(165.1,39.2) v1(165.49,71.27) v1(165.51,0.72) v1(165.87,79.7) v1(166.56,86.26) v1(166.93,74.74) v1(166.92,67.08) v1(166.92,65.78) v1(166.92,60.7) v1(166.92,57.11) v1(166.92,54.46) v1(166.92,53.09) v1(166.92,49.41) v1(166.92,46.71) v1(166.92,45.35) v1(166.92,43) v1(166.92,41.63) v1(166.92,39.2) v1(166.92,37.85) v1(166.91,36.52) v1(166.91,31.49) v1(166.89,22.41) v1(166.89,18.98) v1(166.89,17.46) v1(166.95,68.97) v1(168.57,83.65) v1(169.04,90.87) v1(169.73,73.36) v1(169.77,74.76) v1(169.77,69.62) v1(169.77,40.34) v1(169.77,37.74) v1(169.77,26.53) v1(169.77,23.93) v1(169.78,21.37) v1(169.78,11.66) v1(169.78,5.06) v1(170.53,86.28) v1(170.48,0.72) v1(172.48,83.58) v1(172.59,74.93) v1(172.59,69.6) v1(172.59,64.13) v1(172.62,59.46) v1(172.61,46.96) v1(172.6,41.65) v1(172.62,36.77) v1(172.59,29.16) v1(172.59,24.07) v1(172.59,19.97) v1(173.06,92.48) v1(173.31,53.25) v1(173.3,51.75) v1(173.63,44.2) v1(173.89,89.34) v1(173.91,26.19) v1(174.03,49.34) v1(173.95,32.9) v1(174.67,5.09) v1(174.77,76.34) v1(175.19,96.22) v1(175.32,22.68) v1(175.5,0.72) v1(175.63,13.95) v1(176.62,55.16) v1(176.92,33.34) v1(176.92,26.85) v1(176.94,7.21) v1(177.12,83.58) v1(177.43,23.27) v1(177.59,74.5) v1(177.59,69.6) v1(177.59,64.13) v1(177.58,59.87) v1(177.64,50.57) v1(178,30.31) v1(178.57,91.82) v1(179.18,80.58) v1(179.19,50.58) v1(179.28,96.22) v1(179.61,17.94) v1(179.69,5.09) v1(180.52,0.72) v1(180.75,79.52) v1(181.01,83.58) v1(181.09,30.31) v1(181.08,26.85) v1(181.22,34.9) v1(181.69,8.96) v1(181.8,81.91) v1(181.97,7.21) v1(182.45,86.76) v1(182.59,69.6) v1(182.59,64.13) v1(182.58,59.87) v1(182.74,94.55) v1(183.57,91.82) v1(183.59,21.93) v1(183.67,34.25) v1(184.19,79.52) v1(184.41,30.2) v1(184.72,5.09) v1(184.81,24.41) v1(184.9,83.58) v1(184.9,81.91) v1(185.17,54.69) v1(185.45,51.29) v1(185.45,49.95) v1(185.53,47.29) v1(185.53,0.72) v1(185.56,42.57) v1(185.56,36.64) v1(186.07,53.59) v1(186.54,45.6) v1(186.53,7.21) v1(186.55,48.37) v1(186.55,40) v1(186.77,8.96) v1(186.88,37.99) v1(186.97,24.48) v1(187.59,69.6) v1(187.59,64.13) v1(187.71,86.38) v1(187.76,94.55) v1(187.88,59.24) v1(188.21,37.13) v1(188.6,91.82) v1(188.56,53.56) v1(188.56,50.46) v1(188.56,47.61) v1(188.56,44.34) v1(188.56,40.01) v1(188.69,28.28) v1(189.04,73.09) v1(189.36,57.81) v1(190.05,35.89) v1(190.53,89.18) v1(190.57,53.36) v1(191.11,74.24) v1(191.23,28.47) v1(191.25,86.41) v1(191.53,66.85) v1(191.79,24.58) v1(192.01,7.21) v1(192.01,5.12) v1(192.14,69.99) v1(192.33,41.62) v1(192.24,11.81) v1(192.42,37.13) v1(192.77,94.55) v1(193.06,0.72) v1(193.17,91.82) v1(193.89,49.34) v1(193.89,44.34) v1(193.89,9.34) v1(194.34,40.01) v1(194.39,70.97) v1(194.37,64.01) v1(194.85,84.77) v1(195.19,66.94) v1(195.53,35.34) v1(195.59,13.3) v1(195.77,91.27) v1(196.02,74.23) v1(196.43,30.58) v1(196.64,37.13) v1(197.04,53.27) v1(197.04,27.48) v1(197.14,7.21) v1(197.68,67.7) v1(197.79,94.55) v1(197.98,78.82) v1(197.98,76.25) v1(198.21,63.92) v1(198.43,29.24) v1(198.88,82.23) v1(198.89,49.34) v1(198.89,14.34) v1(199.02,43.76) v1(199.05,84.77) v1(199.28,30.38) v1(199.41,35.54) v1(199.59,23.58) v1(199.79,5.09) v1(200.14,75.57) v1(200.06,53.27) v1(200.16,40) v1(200.58,0.72) v1(200.77,91.27) v1(200.83,42.67) v1(200.86,37.13) v1(201.34,66.16) v1(201.34,64.13) v1(201.42,84.77) v1(201.49,69.37) v1(201.54,35.63) v1(201.81,38.79) v1(201.96,46.68) v1(202.26,7.22) v1(202.37,88.05) v1(202.69,66.16) v1(202.69,62.92) v1(202.81,94.55) v1(202.93,48.32) v1(203.14,53.27) v1(203.18,26.21) v1(203.17,23.87) v1(203.17,18.41) v1(203.5,37.09) v1(203.69,45.76) v1(203.71,39.59) v1(203.78,60.39) v1(203.87,87.11) v1(203.99,43.75) v1(204.23,75.05) v1(204.23,71.37) v1(204.62,33.3) v1(204.55,8.96) v1(204.72,65.15) v1(204.66,55.48) v1(204.83,30.86) v1(204.81,5.09) v1(205.51,68.64) v1(205.6,0.72) v1(205.79,91.27) v1(206.45,28.8) v1(206.49,26.26) v1(206.75,60.99) v1(206.87,47.54) v1(206.86,44.89) v1(207.01,37.37) v1(207.15,33.82) v1(207.33,82.21) v1(207.35,65.14) v1(207.38,55.86) v1(207.51,58.28) v1(207.48,52.84) v1(207.72,45.24) v1(207.82,94.55) v1(207.89,48.39) v1(208.02,13.92) v1(208.64,16.75) v1(209,58.99) v1(209.07,53.05) v1(209.27,78.82) v1(209.27,77.19) v1(209.27,75.05) v1(209.27,71.89) v1(209.27,68.79) v1(209.27,66.33) v1(209.39,5.09) v1(209.39,0.73) v1(209.47,38.92) v1(209.47,37.46) v1(209.47,30.26) v1(209.6,62.41) v1(209.63,8.96) v1(209.72,64.72) v1(209.72,57.58) v1(210.14,26.21) v1(210.14,23.74) v1(210.69,27.83) v1(210.82,91.27) v1(211.11,58.99) v1(211.26,14.18) v1(211.64,44.9) v1(211.64,40.59) v1(211.64,38.92) v1(211.64,37.46) v1(211.64,34.71) v1(211.74,55.86) v1(211.74,53.85) v1(211.97,61.19) v1(212.1,64.71) v1(212.37,71.89) v1(212.68,7.21) v1(212.74,29.64) v1(212.84,94.55) v1(213.61,58.33) v1(213.61,53.22) v1(213.74,23.74) v1(213.89,14.39) v1(214.12,27.8) v1(214.22,75.05) v1(214.28,79.32) v1(214.84,9.38) v1(214.9,83.1) v1(214.85,5.09) v1(215.05,45.59) v1(215.57,64.71) v1(215.63,0.72) v1(215.67,68.48) v1(215.77,41.44) v1(215.77,38.92) v1(215.84,91.27) v1(216.21,26.21) v1(216.39,89.74) v1(216.41,34.76) v1(216.49,80.39) v1(216.57,96.22) v1(216.9,83.11) v1(216.92,40.74) v1(216.92,36.73) v1(216.89,19.9) v1(216.97,17.61) v1(217.08,68.48) v1(217.08,64.71) v1(217.08,60.98) v1(217.43,33.59) v1(217.58,7.33) v1(218.08,87.55) v1(218.47,20.73) v1(218.72,63.21) v1(218.75,31.83) v1(218.9,83.11) v1(218.94,23.05) v1(219.11,60.98) v1(219.34,75.05) v1(219.42,91.26) v1(219.54,79.15) v1(219.61,15.39) v1(219.7,30.95) v1(219.77,40.27) v1(219.77,35.22) v1(220.3,96.22) v1(220.43,65.99) v1(220.42,62.56) v1(220.43,14.39) v1(221.31,31.78) v1(221.31,24.77) v1(221.66,20.67) v1(222.31,67.86) v1(222.46,23.69) v1(222.6,58.44) v1(222.6,55.29) v1(222.6,53.09) v1(222.6,49.43) v1(222.6,39.11) v1(222.6,36.77) v1(222.73,71.77) v1(222.65,34.96) v1(222.75,64.89) v1(223.49,25.8) v1(223.73,29.01) v1(223.9,79.38) v1(223.89,75.1) v1(223.99,68.38) v1(224.03,19.89) v1(224.12,91.25) v1(224.2,31.93) v1(224.26,96.22) v1(224.77,33.14) v1(224.77,24.42) v1(224.78,21.4) v1(224.87,65.17) v1(224.93,18) v1(224.88,14.33) v1(225.11,62.56) v1(225.11,60.96) v1(225.13,55.29) v1(225.14,51.8) v1(225.14,49.71) v1(225.11,43.23) v1(225.11,41.18) v1(225.15,30.96) v1(225.24,53.09) v1(225.82,64.07) v1(226.52,31.41) v1(226.61,21.52) v1(226.63,2.94) v1(226.72,39.9) v1(226.75,19.58) v1(227.03,68.38) v1(227.12,61.46) v1(227.11,57.09) v1(227.32,17.97) v1(227.34,14.6) v1(227.58,64.89) v1(227.56,53.92) v1(227.79,51.17) v1(227.9,20.77) v1(227.99,34.32) v1(228.22,96.22) v1(228.25,42.4) v1(228.47,68.38) v1(228.6,4.93) v1(228.66,37.39) v1(228.74,23.21) v1(229.2,91.25) v1(229.38,32.84) v1(229.46,47.67) v1(229.56,26.94) v1(229.69,68.38) v1(229.68,63.78) v1(229.68,59.38) v1(229.7,55.6) v1(229.88,84.34) v1(229.88,79.35) v1(230.11,44.82) v1(230.12,42.76) v1(230.13,40.52) v1(230.13,36.12) v1(230.18,28.43) v1(230.43,51.17) v1(231.13,53.89) v1(231.42,47.48) v1(231.44,43.48) v1(231.44,41.43) v1(231.44,39.21) v1(231.47,36.47) v1(232.11,66.33) v1(232.1,61.46) v1(232.1,57.09) v1(232.14,0.72) v1(232.32,21.59) v1(232.52,71.13) v1(232.89,14.39) v1(232.89,4.93) v1(233.16,36.17) v1(233.7,47.46) v1(233.7,43.86) v1(233.7,41.22) v1(233.7,39.19) v1(233.7,20.21) v1(234.03,75.1) v1(234,33.64) v1(234.06,84.34) v1(234.06,79.34) v1(234.1,52.85) v1(235.32,21.08) v1(235.64,31.68) v1(235.91,33.09) v1(235.87,17.99) v1(236.03,46.09) v1(236.15,96.22) v1(236.38,53.86) v1(236.5,81.84) v1(236.52,62.99) v1(236.52,49.39) v1(236.51,42.05) v1(237.21,35.37) v1(237.26,56.95) v1(237.48,72.65) v1(237.48,66.99) v1(237.44,18.98) v1(237.67,51.5) v1(238.17,40.71) v1(238.59,25.23) v1(238.7,31.65) v1(238.89,94.34) v1(238.93,21.28) v1(239.03,14.6) v1(239.72,96.22) v1(239.87,91.76) v1(240.02,31.65) v1(240.18,23.02) v1(240.24,33.15) v1(240.38,77.17) v1(240.4,61.56) v1(240.42,15.99) v1(240.55,64.88) v1(240.56,49.4) v1(240.55,27.76) v1(240.76,51.35) v1(241.11,35.17) v1(241.12,26.53) v1(241.16,38.58) v1(242.18,0.72) v1(242.39,90.56) v1(242.7,10.92) v1(243,87.01) v1(243.05,55.05) v1(243.1,26.16) v1(243.29,94.54) v1(243.61,29.66) v1(243.82,63.17) v1(244.06,12.34) v1(245.04,79.11) v1(245.77,46.96) v1(245.75,17.45) v1(246.16,57.36) v1(246.74,22.22) v1(247.09,63.16) v1(247.19,0.72) v1(247.57,48.81) v1(247.57,45.03) v1(248.1,10.3) v1(248.29,94.54) v1(248.25,19.66) v1(248.88,91.38) v1(248.88,86.38) v1(248.88,81.38) v1(249.03,28.65) v1(249.02,26.55) v1(249.09,38.9) v1(249.09,34.31) v1(250,17.93) v1(250.07,53.93) v1(250.34,77.56) v1(250.36,64.66) v1(252.21,0.72) v1(253.06,17.13) v1(253.05,13.88) v1(253.21,19.38) v1(253.29,93.82) v1(253.29,88.8) v1(253.29,83.78) v1(253.29,78.77) v1(253.29,73.75) v1(253.29,68.73) v1(253.29,63.72) v1(253.29,58.72) v1(253.29,53.73) v1(253.92,34.34) v1(253.92,29.34) v1(256.35,38.26) v1(257.1,51.5) v1(258.1,13.54) v1(260.12,36.58) v1(260.12,30.78) v1(260.12,25.76) v1(261.39,16.04) v1(261.39,6.01) v1(261.79,50.82) v1(261.79,41.91) v1(261.79,21.05) v1(261.78,1.44)
